# Altium PCB UmTRXv21.PcbDoc (part 18 of 19) (continued)
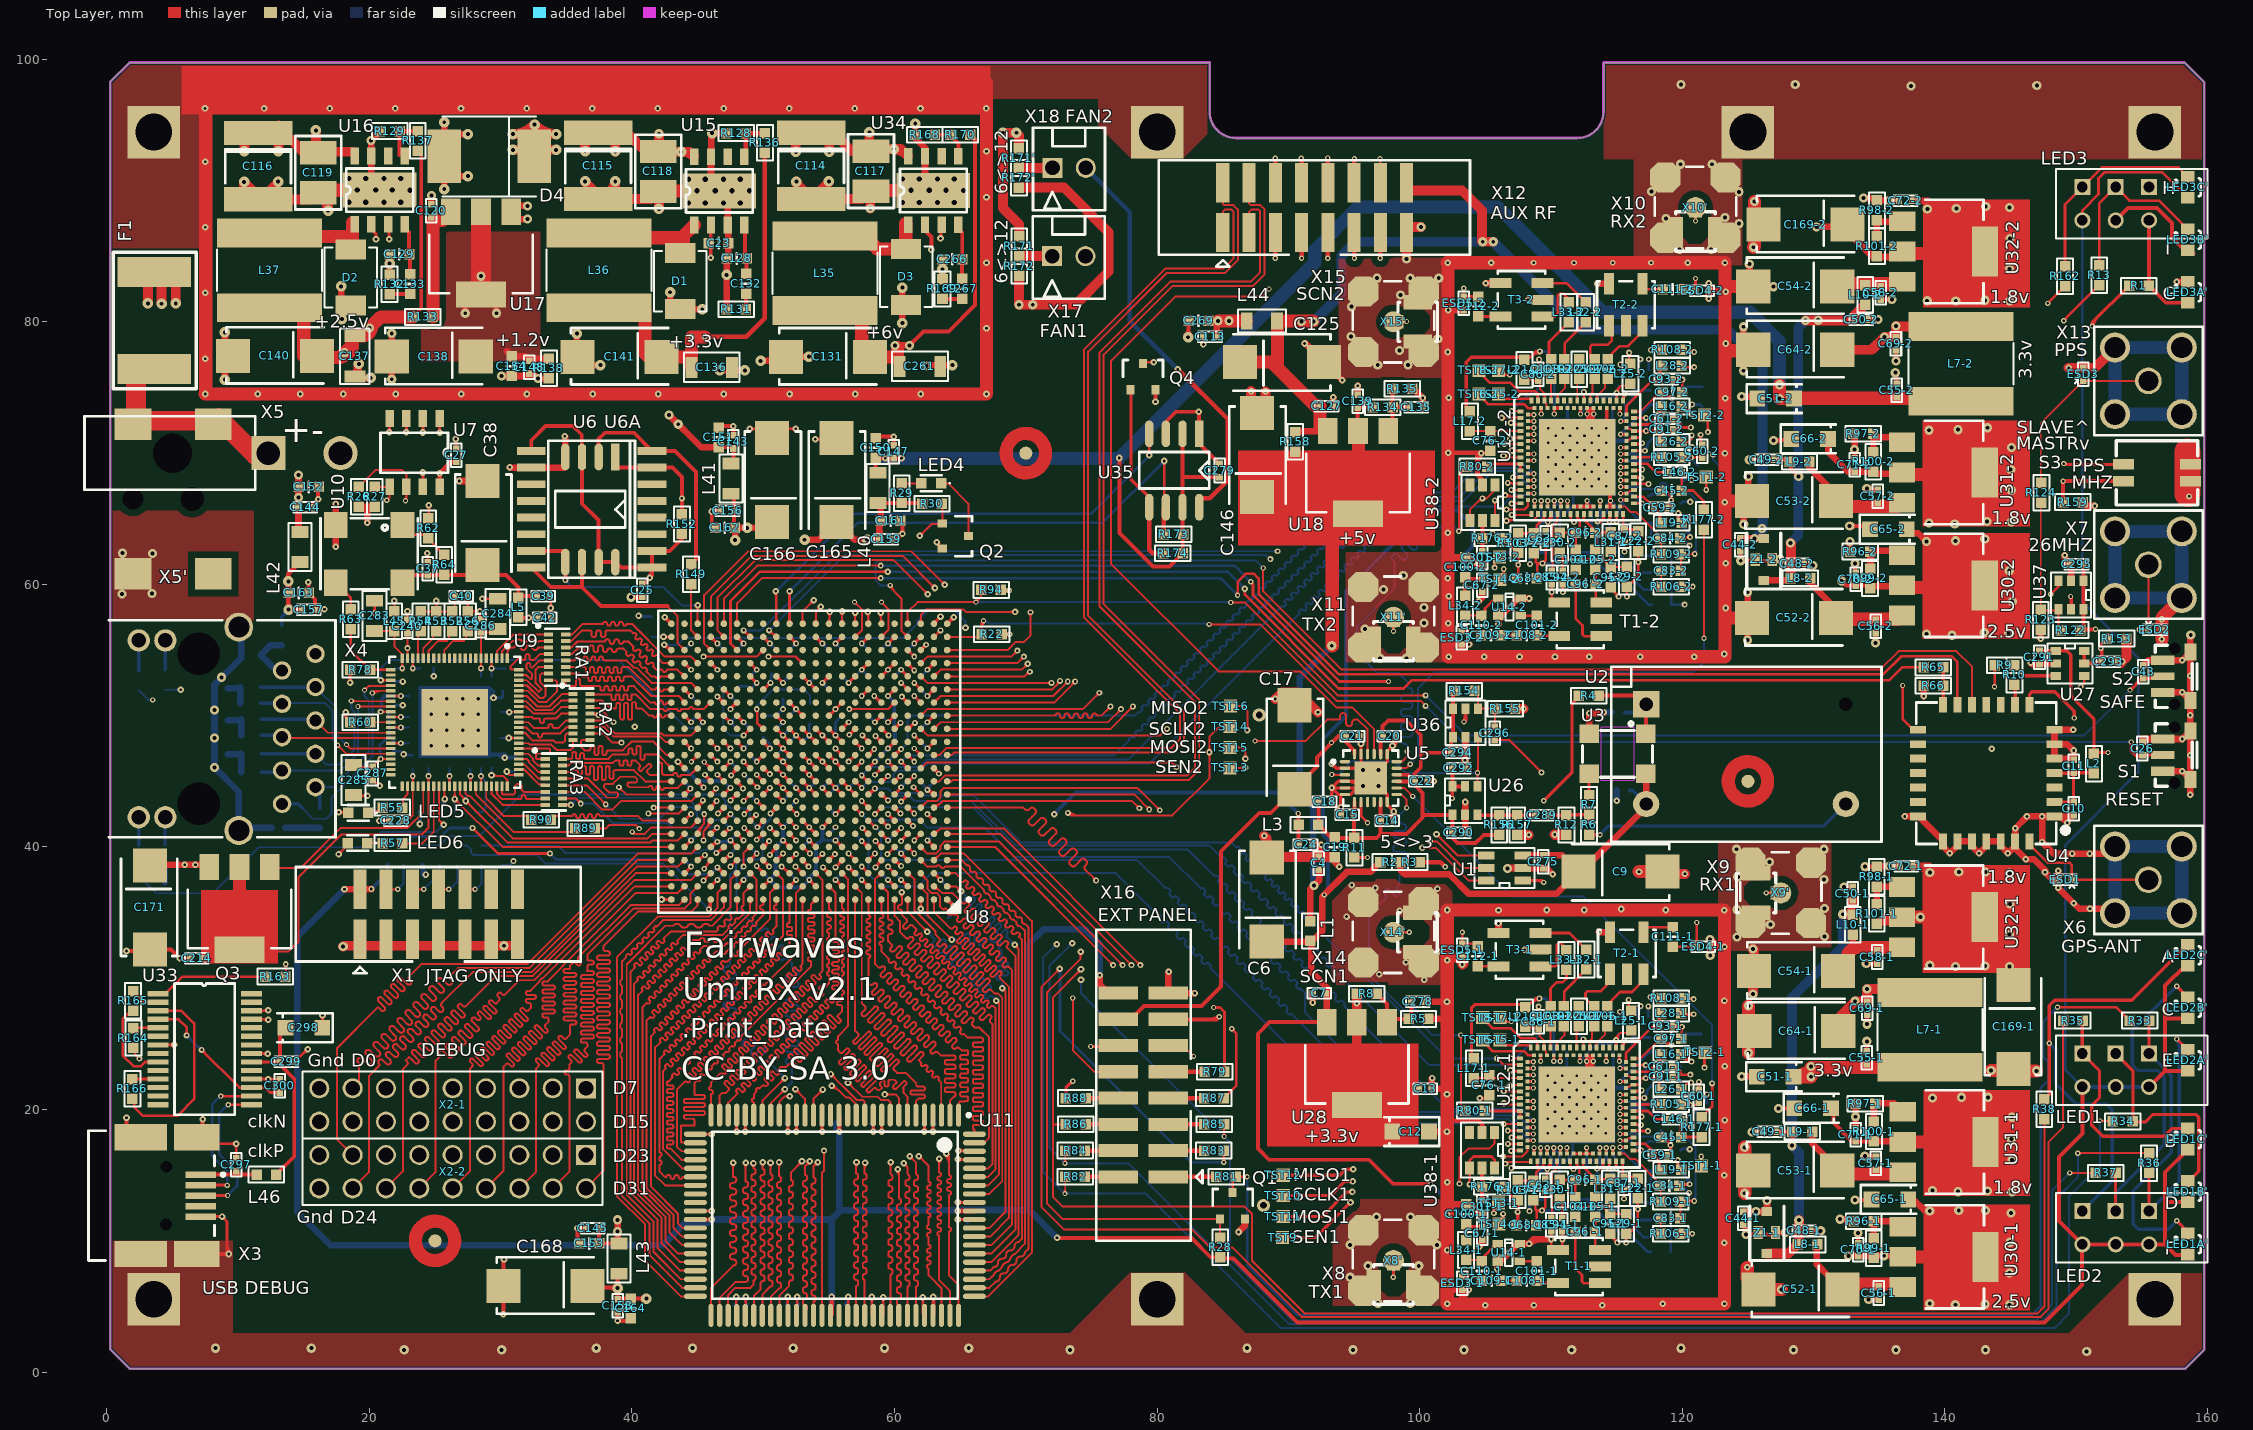
[diagram p0: Top Layer view]
## Nets (pads, with @x,y where several pads share a name; then routed paths per layer and width w, separated by ;. In a path a pad name is that pad's centre, name@x,y a point inside that pad or via, vN(x,y) a via of type N, cw(c..) or ccw(c..) an arc to the next point about the centre after c; other vN are vias at no path point) (continued)
TX2D9: U8.P6 U12-2.30 | length 70.9
  Top Layer w0.15: U8.P6@59,48.825 cw(c59,48.403) 59.299,48.701 cw(c59.597,49) U8.P6@59.175,49 ; U8.P6@59,49 59.5,48.5 v1(59.55,48.5) ; U8.P6@59.169,48.955 ccw(c59.33,48.913) 59.247,48.769 ; U8.P6@59.17,49.04 ccw(c59.772,49.179) v1@59.463,48.644 ; 59.209,48.791 ccw(c59.55,49.133) v1@59.55,48.65 ; 59.329,48.671 cw(c59.159,48.5) v1@59.4,48.5 ; v1(107,65.3) 108.441,65.3 U12-2.30@108.496,65.355 ; v1@107.106,65.194 cw(c107.362,64.938) 107.362,65.3 cw(c107.362,65.662) v1@107.106,65.406
  MidLayer1 w0.15: v1(59.55,48.5) 59.995,48.945 ; v1@59.55,48.65 ccw(c59.55,49.012) 59.806,48.756 ccw(c60.062,48.5) v1@59.7,48.5 ; 59.995,48.95 79,48.95 80.2,50.15 84.5,50.15 84.845,50.495 ccw(c84.831,50.509) 84.845,50.523 cw(c84.972,50.651) 84.845,50.778 84.909,50.841 cw(c85.036,50.714) 85.163,50.841 85.177,50.827 85.191,50.813 ccw(c85.319,50.94) 85.446,50.813 85.51,50.877 ccw(c85.382,51.004) 85.51,51.131 85.495,51.145 85.481,51.16 cw(c85.609,51.287) 85.481,51.414 85.545,51.478 cw(c85.672,51.351) 85.8,51.478 85.814,51.464 85.828,51.45 ccw(c85.955,51.577) 86.082,51.45 86.146,51.513 ccw(c86.019,51.64) 86.146,51.768 86.132,51.782 86.118,51.796 cw(c86.245,51.923) 86.118,52.051 86.181,52.114 cw(c86.309,51.987) 86.436,52.114 86.45,52.1 86.464,52.086 ccw(c86.592,52.213) 86.719,52.086 86.782,52.15 ccw(c86.655,52.277) 86.782,52.404 86.768,52.418 86.754,52.432 cw(c86.881,52.56) 86.754,52.687 86.818,52.751 cw(c86.945,52.623) 87.072,52.751 87.086,52.736 87.101,52.722 ccw(c87.228,52.85) 87.355,52.722 87.419,52.786 ccw(c87.292,52.913) 87.419,53.041 87.405,53.055 87.391,53.069 cw(c87.518,53.196) 87.391,53.323 87.454,53.387 cw(c87.581,53.26) 87.709,53.387 87.723,53.373 87.737,53.359 ccw(c87.864,53.486) 87.992,53.359 88.055,53.422 ccw(c87.928,53.55) 88.055,53.677 88.041,53.691 88.027,53.705 cw(c88.154,53.832) 88.027,53.96 88.091,54.023 cw(c88.218,53.896) 88.345,54.023 88.359,54.009 88.373,53.995 ccw(c88.501,54.122) 88.628,53.995 88.692,54.059 ccw(c88.564,54.186) 88.692,54.313 88.677,54.327 88.663,54.342 cw(c88.791,54.469) 88.663,54.596 88.727,54.66 cw(c88.854,54.533) 88.982,54.66 88.996,54.646 89.01,54.632 ccw(c89.137,54.759) 89.264,54.632 89.328,54.695 ccw(c89.201,54.822) 89.328,54.95 89.314,54.964 89.3,54.978 cw(c89.427,55.105) 89.3,55.233 89.363,55.296 cw(c89.491,55.169) 89.618,55.296 89.632,55.282 89.646,55.268 ccw(c89.773,55.395) 89.901,55.268 89.964,55.332 ccw(c89.837,55.459) 89.964,55.586 89.95,55.6 89.936,55.614 cw(c90.063,55.742) 89.936,55.869 90,55.933 cw(c90.127,55.805) 90.254,55.933 90.268,55.918 90.283,55.904 ccw(c90.41,56.032) 90.537,55.904 90.601,55.968 ccw(c90.474,56.095) 90.601,56.223 90.587,56.237 90.573,56.251 cw(c90.7,56.378) 90.573,56.505 90.636,56.569 cw(c90.763,56.442) 90.891,56.569 90.905,56.555 90.919,56.541 ccw(c91.046,56.668) 91.174,56.541 91.237,56.604 ccw(c91.11,56.732) 91.237,56.859 91.223,56.873 91.209,56.887 cw(c91.336,57.014) 91.209,57.142 91.273,57.205 cw(c91.4,57.078) 91.527,57.205 91.541,57.191 91.555,57.177 ccw(c91.683,57.304) 91.81,57.177 91.874,57.241 ccw(c91.746,57.368) 91.874,57.495 91.859,57.509 91.845,57.524 cw(c91.973,57.651) 91.845,57.778 91.909,57.842 cw(c92.036,57.715) 92.163,57.842 92.178,57.828 92.192,57.813 ccw(c92.319,57.941) 92.446,57.813 92.51,57.877 ccw(c92.383,58.004) 92.51,58.132 92.496,58.146 92.482,58.16 cw(c92.609,58.287) 92.482,58.415 92.545,58.478 cw(c92.673,58.351) 92.8,58.478 92.814,58.464 92.828,58.45 ccw(c92.955,58.577) 93.083,58.45 93.146,58.514 ccw(c93.019,58.641) 93.146,58.768 93.132,58.782 93.118,58.796 cw(c93.245,58.924) 93.118,59.051 93.182,59.115 cw(c93.309,58.987) 93.436,59.115 93.45,59.1 93.465,59.086 ccw(c93.592,59.214) 93.719,59.086 93.783,59.15 ccw(c93.655,59.277) 93.783,59.404 93.754,59.433 cw(c93.882,59.56) 93.754,59.687 93.818,59.751 cw(c93.945,59.624) 94.073,59.751 94.087,59.737 94.101,59.723 ccw(c94.228,59.85) 94.356,59.723 94.419,59.786 ccw(c94.292,59.914) 94.419,60.041 94.405,60.055 94.391,60.069 cw(c94.518,60.196) 94.391,60.324 94.455,60.387 cw(c94.582,60.26) 94.709,60.387 94.723,60.373 94.737,60.359 ccw(c94.865,60.486) 94.992,60.359 95.056,60.423 ccw(c94.928,60.55) 95.056,60.677 95.041,60.691 95.027,60.706 cw(c95.155,60.833) 95.027,60.96 95.091,61.024 cw(c95.218,60.896) 95.345,61.024 95.36,61.01 95.374,60.995 ccw(c95.501,61.123) 95.628,60.995 95.692,61.059 ccw(c95.565,61.186) 95.692,61.314 95.678,61.328 95.664,61.342 cw(c95.791,61.469) 95.664,61.597 95.727,61.66 cw(c95.855,61.533) 95.982,61.66 96.01,61.632 ccw(c96.137,61.759) 96.265,61.632 96.328,61.696 ccw(c96.201,61.823) 96.328,61.95 96.314,61.964 96.3,61.978 cw(c96.427,62.106) 96.3,62.233 96.364,62.297 cw(c96.491,62.169) 96.618,62.297 96.632,62.282 96.647,62.268 ccw(c96.774,62.396) 96.901,62.268 96.965,62.332 ccw(c96.837,62.459) 96.965,62.586 96.951,62.601 96.936,62.615 cw(c97.064,62.742) 96.936,62.869 97,62.933 cw(c97.127,62.806) 97.255,62.933 97.269,62.919 97.283,62.905 ccw(c97.41,63.032) 97.538,62.905 97.601,62.968 ccw(c97.474,63.096) 97.601,63.223 97.587,63.237 97.573,63.251 cw(c97.7,63.378) 97.573,63.506 97.636,63.569 cw(c97.764,63.442) 97.891,63.569 97.905,63.555 97.919,63.541 ccw(c98.047,63.668) 98.174,63.541 98.238,63.605 ccw(c98.11,63.732) 98.238,63.859 98.209,63.888 cw(c98.337,64.015) 98.209,64.142 98.273,64.206 cw(c98.4,64.078) 98.527,64.206 ccw(c98.542,64.22) 98.556,64.206 99.65,65.3 v1(107,65.3) ; v1@106.894,65.194 ccw(c106.638,64.938) 106.638,65.3 ccw(c106.638,65.662) v1@106.894,65.406
TX2D10: U8.P3 U12-2.31 | length 69.9
  Top Layer w0.15: U8.P3@62,48.825 cw(c62,48.403) 62.299,48.701 cw(c62.597,49) U8.P3@62.175,49 ; U8.P3@62,49 62.5,48.5 80.25,48.5 v1(80.75,49) ; v1@80.6,49 cw(c80.238,49) 80.494,48.744 cw(c80.75,48.488) v1@80.75,48.85
  Top Layer w0.2: v4@108.675,66.309 cw(c108.505,66.138) 108.746,66.138 cw(c108.987,66.138) v4@108.817,66.309 ; U12-2.31@108.746,65.93 v4@108.746,66.355
  MidLayer1 w0.15: v1(80.75,49) 81.35,49.6 86.15,49.6 89.6,53.05 89.6,53.15 89.602,53.152 ; v1@80.75,49.15 ccw(c80.75,49.512) 81.006,49.256 ccw(c81.262,49) v1@80.9,49 ; 89.61,53.152 cw(c89.747,53.182) 89.648,53.281 89.697,53.33 cw(c89.796,53.231) 89.895,53.33 89.98,53.245 ccw(c90.079,53.344) 90.178,53.245 90.228,53.295 ccw(c90.129,53.394) 90.228,53.493 90.143,53.578 cw(c90.242,53.677) 90.143,53.776 90.192,53.825 cw(c90.291,53.726) 90.39,53.825 90.475,53.74 ccw(c90.574,53.839) 90.673,53.74 90.723,53.79 ccw(c90.624,53.889) 90.723,53.988 90.638,54.073 cw(c90.737,54.172) 90.638,54.271 90.687,54.32 cw(c90.786,54.221) 90.885,54.32 90.97,54.235 ccw(c91.069,54.334) 91.168,54.235 91.218,54.285 ccw(c91.119,54.384) 91.218,54.483 91.133,54.568 cw(c91.232,54.667) 91.133,54.766 91.182,54.815 cw(c91.281,54.716) 91.38,54.815 91.465,54.73 ccw(c91.564,54.829) 91.663,54.73 91.713,54.78 ccw(c91.614,54.879) 91.713,54.978 91.628,55.063 cw(c91.727,55.162) 91.628,55.261 91.677,55.31 cw(c91.776,55.211) 91.875,55.31 91.96,55.225 ccw(c92.059,55.324) 92.158,55.225 92.208,55.275 ccw(c92.109,55.374) 92.208,55.473 92.123,55.558 cw(c92.222,55.657) 92.123,55.756 92.172,55.805 cw(c92.271,55.706) 92.37,55.805 92.455,55.72 ccw(c92.554,55.819) 92.653,55.72 92.702,55.77 ccw(c92.603,55.869) 92.702,55.968 92.618,56.052 cw(c92.717,56.151) 92.618,56.25 92.667,56.3 cw(c92.766,56.201) 92.865,56.3 92.95,56.215 ccw(c93.049,56.314) 93.148,56.215 93.197,56.265 ccw(c93.098,56.364) 93.197,56.463 93.113,56.547 cw(c93.212,56.646) 93.113,56.745 93.162,56.795 cw(c93.261,56.696) 93.36,56.795 93.445,56.71 ccw(c93.544,56.809) 93.643,56.71 93.692,56.76 ccw(c93.593,56.859) 93.692,56.958 93.608,57.042 cw(c93.707,57.141) 93.608,57.24 93.657,57.29 cw(c93.756,57.191) 93.855,57.29 93.94,57.205 ccw(c94.039,57.304) 94.138,57.205 94.187,57.255 ccw(c94.088,57.354) 94.187,57.453 94.103,57.537 cw(c94.202,57.636) 94.103,57.735 94.152,57.785 cw(c94.251,57.686) 94.35,57.785 94.435,57.7 ccw(c94.534,57.799) 94.633,57.7 94.682,57.75 ccw(c94.583,57.849) 94.682,57.948 94.598,58.032 cw(c94.697,58.131) 94.598,58.23 94.647,58.28 cw(c94.746,58.181) 94.845,58.28 94.93,58.195 ccw(c95.029,58.294) 95.128,58.195 95.177,58.245 ccw(c95.078,58.344) 95.177,58.443 95.093,58.527 cw(c95.191,58.626) 95.093,58.725 95.142,58.775 cw(c95.241,58.676) 95.34,58.775 95.425,58.69 ccw(c95.524,58.789) 95.623,58.69 95.672,58.739 ccw(c95.573,58.838) 95.672,58.937 95.587,59.022 cw(c95.686,59.121) 95.587,59.22 95.637,59.27 cw(c95.736,59.171) 95.835,59.27 95.92,59.185 ccw(c96.019,59.284) 96.118,59.185 96.167,59.234 ccw(c96.068,59.333) 96.167,59.432 96.082,59.517 cw(c96.181,59.616) 96.082,59.715 96.132,59.765 cw(c96.231,59.666) 96.33,59.765 96.415,59.68 ccw(c96.514,59.779) 96.613,59.68 96.662,59.729 ccw(c96.563,59.828) 96.662,59.927 96.577,60.012 cw(c96.676,60.111) 96.577,60.21 96.627,60.26 cw(c96.726,60.161) 96.825,60.26 96.91,60.175 ccw(c97.009,60.274) 97.108,60.175 97.157,60.224 ccw(c97.058,60.323) 97.157,60.422 97.072,60.507 cw(c97.171,60.606) 97.072,60.705 97.122,60.755 cw(c97.221,60.656) 97.32,60.755 97.405,60.67 ccw(c97.504,60.769) 97.603,60.67 97.652,60.719 ccw(c97.553,60.818) 97.652,60.917 97.567,61.002 cw(c97.666,61.101) 97.567,61.2 97.617,61.25 cw(c97.716,61.151) 97.815,61.25 97.9,61.165 ccw(c97.999,61.264) 98.098,61.165 98.147,61.214 ccw(c98.048,61.313) 98.147,61.412 98.062,61.497 cw(c98.161,61.596) 98.062,61.695 98.112,61.745 cw(c98.211,61.646) 98.31,61.745 98.395,61.66 ccw(c98.494,61.759) 98.593,61.66 98.642,61.709 ccw(c98.543,61.808) 98.642,61.907 98.557,61.992 cw(c98.656,62.091) 98.557,62.19 98.607,62.24 cw(c98.706,62.141) 98.805,62.24 98.89,62.155 ccw(c98.989,62.254) 99.088,62.155 99.137,62.204 ccw(c99.038,62.303) 99.137,62.402 99.052,62.487 cw(c99.151,62.586) 99.052,62.685 99.102,62.735 cw(c99.201,62.636) 99.3,62.735 99.385,62.65 ccw(c99.484,62.749) 99.583,62.65 99.632,62.699 ccw(c99.533,62.798) 99.632,62.897 99.547,62.982 cw(c99.646,63.081) 99.547,63.18 99.597,63.23 cw(c99.696,63.131) 99.795,63.23 99.88,63.145 ccw(c99.979,63.244) 100.078,63.145 100.127,63.194 ccw(c100.028,63.293) 100.127,63.392 100.042,63.477 cw(c100.141,63.576) 100.042,63.675 100.092,63.725 cw(c100.191,63.626) 100.29,63.725 100.375,63.64 ccw(c100.474,63.739) 100.573,63.64 100.622,63.689 ccw(c100.523,63.788) 100.622,63.887 100.537,63.972 cw(c100.636,64.071) 100.537,64.17 100.587,64.22 cw(c100.686,64.121) 100.785,64.22 ccw(c100.827,64.262) 100.87,64.22 101.075,64.425 106.791,64.425 v4(108.746,66.38) ; v4@108.621,66.38 cw(c108.319,66.38) 108.533,66.166 cw(c108.746,65.953) v4@108.746,66.255
TX2D11: U8.N3 U12-2.32 | length 69.4
  Top Layer w0.15: v1@61.5,48.35 cw(c61.5,47.988) 61.756,48.244 cw(c62.012,48.5) v1@61.65,48.5 ; v1(61.5,48.5) U8.N3@62,48 ; U8.N3@61.825,48 ccw(c61.403,48) 61.701,48.299 ccw(c62,48.597) U8.N3@62,48.175 ; v2(106.605,64.853) 106.652,64.9 108.664,64.9 108.996,65.232 U12-2.32@108.996,65.355 ; v2@106.729,64.729 cw(c107.141,64.318) 107.141,64.9 ; v2@106.729,64.977 ccw(c106.915,65.163) 106.915,64.9
  MidLayer1 w0.15: v1(61.5,48.5) 79.35,48.5 80.7,49.85 85.35,49.85 85.795,50.295 ccw(c85.781,50.309) 85.795,50.323 cw(c85.922,50.451) 85.795,50.578 85.859,50.641 cw(c85.986,50.514) 86.113,50.641 86.127,50.627 86.141,50.613 ccw(c86.269,50.74) 86.396,50.613 86.46,50.677 ccw(c86.332,50.804) 86.46,50.931 86.445,50.945 86.431,50.96 cw(c86.559,51.087) 86.431,51.214 86.495,51.278 cw(c86.622,51.151) 86.75,51.278 86.764,51.264 86.778,51.25 ccw(c86.905,51.377) 87.032,51.25 87.096,51.313 ccw(c86.969,51.44) 87.096,51.568 87.082,51.582 87.068,51.596 cw(c87.195,51.723) 87.068,51.851 87.131,51.914 cw(c87.259,51.787) 87.386,51.914 87.4,51.9 87.414,51.886 ccw(c87.542,52.013) 87.669,51.886 87.732,51.95 ccw(c87.605,52.077) 87.732,52.204 87.718,52.218 87.704,52.232 cw(c87.831,52.36) 87.704,52.487 87.768,52.551 cw(c87.895,52.423) 88.022,52.551 88.036,52.536 88.051,52.522 ccw(c88.178,52.65) 88.305,52.522 88.369,52.586 ccw(c88.242,52.713) 88.369,52.841 88.355,52.855 88.341,52.869 cw(c88.468,52.996) 88.341,53.123 88.404,53.187 cw(c88.531,53.06) 88.659,53.187 88.673,53.173 88.687,53.159 ccw(c88.814,53.286) 88.942,53.159 89.005,53.222 ccw(c88.878,53.35) 89.005,53.477 88.991,53.491 88.977,53.505 cw(c89.104,53.632) 88.977,53.76 89.041,53.823 cw(c89.168,53.696) 89.295,53.823 89.309,53.809 89.323,53.795 ccw(c89.451,53.922) 89.578,53.795 89.642,53.859 ccw(c89.514,53.986) 89.642,54.113 89.627,54.127 89.613,54.142 cw(c89.741,54.269) 89.613,54.396 89.677,54.46 cw(c89.804,54.333) 89.932,54.46 89.946,54.446 89.96,54.432 ccw(c90.087,54.559) 90.214,54.432 90.278,54.495 ccw(c90.151,54.622) 90.278,54.75 90.264,54.764 90.25,54.778 cw(c90.377,54.905) 90.25,55.033 90.313,55.096 cw(c90.441,54.969) 90.568,55.096 90.582,55.082 90.596,55.068 ccw(c90.723,55.195) 90.851,55.068 90.914,55.132 ccw(c90.787,55.259) 90.914,55.386 90.9,55.4 90.886,55.414 cw(c91.013,55.542) 90.886,55.669 90.95,55.733 cw(c91.077,55.605) 91.204,55.733 91.218,55.718 91.233,55.704 ccw(c91.36,55.832) 91.487,55.704 91.551,55.768 ccw(c91.424,55.895) 91.551,56.023 91.537,56.037 91.523,56.051 cw(c91.65,56.178) 91.523,56.305 91.586,56.369 cw(c91.713,56.242) 91.841,56.369 91.855,56.355 91.869,56.341 ccw(c91.996,56.468) 92.124,56.341 92.187,56.404 ccw(c92.06,56.532) 92.187,56.659 92.173,56.673 92.159,56.687 cw(c92.286,56.814) 92.159,56.942 92.223,57.005 cw(c92.35,56.878) 92.477,57.005 92.491,56.991 92.505,56.977 ccw(c92.633,57.104) 92.76,56.977 92.824,57.041 ccw(c92.696,57.168) 92.824,57.295 92.809,57.309 92.795,57.324 cw(c92.923,57.451) 92.795,57.578 92.859,57.642 cw(c92.986,57.515) 93.113,57.642 93.128,57.628 93.142,57.613 ccw(c93.269,57.741) 93.396,57.613 93.46,57.677 ccw(c93.333,57.804) 93.46,57.932 93.446,57.946 93.432,57.96 cw(c93.559,58.087) 93.432,58.215 93.495,58.278 cw(c93.623,58.151) 93.75,58.278 93.764,58.264 93.778,58.25 ccw(c93.905,58.377) 94.033,58.25 94.096,58.314 ccw(c93.969,58.441) 94.096,58.568 94.082,58.582 94.068,58.596 cw(c94.195,58.724) 94.068,58.851 94.132,58.915 cw(c94.259,58.787) 94.386,58.915 94.4,58.9 94.415,58.886 ccw(c94.542,59.014) 94.669,58.886 94.733,58.95 ccw(c94.605,59.077) 94.733,59.204 94.704,59.233 cw(c94.832,59.36) 94.704,59.487 94.768,59.551 cw(c94.895,59.424) 95.023,59.551 95.037,59.537 95.051,59.523 ccw(c95.178,59.65) 95.306,59.523 95.369,59.586 ccw(c95.242,59.714) 95.369,59.841 95.355,59.855 95.341,59.869 cw(c95.468,59.996) 95.341,60.124 95.405,60.187 cw(c95.532,60.06) 95.659,60.187 95.673,60.173 95.687,60.159 ccw(c95.815,60.286) 95.942,60.159 96.006,60.223 ccw(c95.878,60.35) 96.006,60.477 95.991,60.491 95.977,60.506 cw(c96.105,60.633) 95.977,60.76 96.041,60.824 cw(c96.168,60.696) 96.295,60.824 96.31,60.81 96.324,60.795 ccw(c96.451,60.923) 96.578,60.795 96.642,60.859 ccw(c96.515,60.986) 96.642,61.114 96.628,61.128 96.614,61.142 cw(c96.741,61.269) 96.614,61.397 96.677,61.46 cw(c96.805,61.333) 96.932,61.46 96.96,61.432 ccw(c97.087,61.559) 97.215,61.432 97.278,61.496 ccw(c97.151,61.623) 97.278,61.75 97.264,61.764 97.25,61.778 cw(c97.377,61.906) 97.25,62.033 97.314,62.097 cw(c97.441,61.969) 97.568,62.097 97.582,62.082 97.597,62.068 ccw(c97.724,62.196) 97.851,62.068 97.915,62.132 ccw(c97.787,62.259) 97.915,62.386 97.901,62.401 97.886,62.415 cw(c98.014,62.542) 97.886,62.669 97.95,62.733 cw(c98.077,62.606) 98.205,62.733 98.219,62.719 98.233,62.705 ccw(c98.36,62.832) 98.488,62.705 98.551,62.768 ccw(c98.424,62.896) 98.551,63.023 98.537,63.037 98.523,63.051 cw(c98.65,63.178) 98.523,63.306 98.586,63.369 cw(c98.714,63.242) 98.841,63.369 98.855,63.355 98.869,63.341 ccw(c98.997,63.468) 99.124,63.341 99.188,63.405 ccw(c99.06,63.532) 99.188,63.659 99.159,63.688 cw(c99.287,63.815) 99.159,63.942 99.223,64.006 cw(c99.35,63.878) 99.477,64.006 99.492,63.992 99.506,63.977 ccw(c99.633,64.105) 99.76,63.977 99.824,64.041 ccw(c99.697,64.168) 99.824,64.296 99.81,64.31 99.796,64.324 cw(c99.923,64.451) 99.796,64.578 99.859,64.642 cw(c99.987,64.515) 100.114,64.642 ccw(c100.128,64.656) 100.142,64.642 100.353,64.853 v2(106.605,64.853) ; v1@61.606,48.394 cw(c61.862,48.138) 61.862,48.5 cw(c61.862,48.862) v1@61.606,48.606 ; v2@106.481,64.729 ccw(c106.183,64.431) 106.183,64.853 ccw(c106.183,65.276) v2@106.481,64.977
TX2IQSEL: U8.M5 U12-2.20 | length 71.6
  Top Layer w0.15: U8.M5@59.988,47.175 ccw(c59.955,47.653) v1@60.371,47.413 ; U8.M5@59.998,47.025 ccw(c59.978,47.315) 60.23,47.169 ; U8.M5@60,47 60.05,47 v1(60.5,47.45) ; U8.M5@60,47.175 ccw(c60,47.718) v1@60.384,47.334 ; U8.M5@60.055,47.166 ccw(c60.114,47.345) 60.277,47.251 ; U8.M5@60.17,46.957 cw(c60.705,46.822) v1@60.429,47.301 ; U8.M5@60.174,47.021 cw(c60.361,47.043) 60.267,47.207 ; U8.M5@60.175,47 cw(c60.477,47) 60.263,47.213 ; v1@60.35,47.45 cw(c59.988,47.45) 60.244,47.194 cw(c60.5,46.938) v1@60.5,47.3 ; U8.M5@60.045,47.169 ccw(c60.114,47.425) 60.247,47.196 cw(c60.114,47.425) U8.M5@60.045,47.169
  Top Layer w0.2: U12-2.20@108.246,68.43 v4@108.671,68.43 ; v4@108.625,68.359 ccw(c108.455,68.188) 108.455,68.43 ccw(c108.455,68.671) v4@108.625,68.501
  Bottom Layer w0.15: v1(60.5,47.45) 61,47.95 61,49.65 61.35,50 78.3,50 78.595,50.295 ccw(c78.665,50.365) 78.736,50.295 78.842,50.401 ccw(c78.771,50.471) 78.842,50.542 cw(c78.913,50.613) 78.842,50.684 78.948,50.79 cw(c79.019,50.719) 79.09,50.79 ccw(c79.16,50.86) 79.231,50.79 79.337,50.896 ccw(c79.266,50.966) 79.337,51.037 cw(c79.408,51.108) 79.337,51.179 79.443,51.285 cw(c79.514,51.214) 79.585,51.285 ccw(c79.655,51.355) 79.726,51.285 79.832,51.391 ccw(c79.761,51.461) 79.832,51.532 cw(c79.903,51.603) 79.832,51.673 79.938,51.78 cw(c80.009,51.709) 80.08,51.78 ccw(c80.15,51.85) 80.221,51.78 80.327,51.886 ccw(c80.256,51.956) 80.327,52.027 cw(c80.398,52.098) 80.327,52.168 80.433,52.275 cw(c80.504,52.204) 80.575,52.275 ccw(c80.645,52.345) 80.716,52.275 80.822,52.381 ccw(c80.751,52.451) 80.822,52.522 cw(c80.893,52.593) 80.822,52.663 80.928,52.77 cw(c80.999,52.699) 81.07,52.77 ccw(c81.14,52.84) 81.211,52.769 81.317,52.876 ccw(c81.246,52.946) 81.317,53.017 cw(c81.388,53.088) 81.317,53.158 81.423,53.264 cw(c81.494,53.194) 81.564,53.264 ccw(c81.635,53.335) 81.706,53.264 81.812,53.371 ccw(c81.741,53.441) 81.812,53.512 cw(c81.883,53.583) 81.812,53.653 81.918,53.759 ; v1@60.5,47.6 ccw(c60.5,47.962) 60.756,47.706 ccw(c61.012,47.45) v1@60.65,47.45 ; 81.918,53.759 cw(c81.989,53.689) 82.059,53.759 ccw(c82.13,53.83) 82.201,53.759 82.307,53.866 ccw(c82.236,53.936) 82.307,54.007 cw(c82.378,54.078) 82.307,54.148 82.413,54.254 cw(c82.484,54.184) 82.554,54.254 ccw(c82.625,54.325) 82.696,54.254 82.802,54.36 ccw(c82.731,54.431) 82.802,54.502 cw(c82.873,54.573) 82.802,54.643 82.908,54.749 cw(c82.979,54.679) 83.049,54.749 ccw(c83.12,54.82) 83.191,54.749 ; 83.191,54.749 83.297,54.855 ; 83.297,54.855 ccw(c83.226,54.926) 83.297,54.997 cw(c83.368,55.068) 83.297,55.138 83.403,55.244 cw(c83.474,55.174) 83.544,55.244 ccw(c83.615,55.315) 83.686,55.244 83.792,55.35 ccw(c83.721,55.421) 83.792,55.492 cw(c83.863,55.563) 83.792,55.633 83.898,55.739 cw(c83.969,55.669) 84.039,55.739 ccw(c84.11,55.81) 84.181,55.739 84.287,55.845 ccw(c84.216,55.916) 84.287,55.987 cw(c84.358,56.058) 84.287,56.128 ; 84.287,56.128 84.393,56.234 cw(c84.464,56.164) 84.534,56.234 ccw(c84.605,56.305) 84.676,56.234 84.782,56.34 ccw(c84.711,56.411) 84.782,56.482 cw(c84.853,56.553) 84.782,56.623 84.888,56.729 cw(c84.959,56.659) 85.029,56.729 ccw(c85.1,56.8) 85.171,56.729 85.277,56.835 ccw(c85.206,56.906) 85.277,56.977 cw(c85.347,57.047) 85.277,57.118 85.383,57.224 cw(c85.454,57.154) 85.524,57.224 ccw(c85.595,57.295) 85.666,57.224 85.772,57.33 ccw(c85.701,57.401) 85.772,57.472 cw(c85.842,57.542) 85.772,57.613 85.878,57.719 cw(c85.949,57.649) 86.019,57.719 ccw(c86.09,57.79) 86.161,57.719 86.267,57.825 ccw(c86.196,57.896) 86.267,57.967 cw(c86.337,58.037) 86.267,58.108 86.373,58.214 cw(c86.444,58.144) 86.514,58.214 ccw(c86.585,58.285) 86.656,58.214 86.762,58.32 ccw(c86.691,58.391) 86.762,58.462 cw(c86.832,58.532) 86.762,58.603 86.868,58.709 cw(c86.938,58.638) 87.009,58.709 ccw(c87.08,58.78) 87.151,58.709 87.257,58.815 ccw(c87.186,58.886) 87.257,58.957 cw(c87.327,59.027) 87.257,59.098 87.363,59.204 cw(c87.433,59.133) 87.504,59.204 ccw(c87.575,59.275) 87.646,59.204 87.752,59.31 ccw(c87.681,59.381) 87.752,59.452 cw(c87.822,59.522) 87.752,59.593 87.858,59.699 cw(c87.928,59.628) 87.999,59.699 ccw(c88.07,59.77) 88.141,59.699 88.247,59.805 ccw(c88.176,59.876) 88.247,59.947 cw(c88.317,60.017) 88.247,60.088 88.353,60.194 cw(c88.423,60.123) 88.494,60.194 ccw(c88.565,60.265) 88.636,60.194 88.742,60.3 ccw(c88.671,60.371) 88.742,60.442 cw(c88.812,60.512) 88.742,60.583 88.848,60.689 cw(c88.918,60.618) 88.989,60.689 ccw(c89.06,60.76) 89.13,60.689 89.237,60.795 ccw(c89.166,60.866) 89.237,60.937 cw(c89.307,61.007) 89.237,61.078 89.343,61.184 cw(c89.413,61.113) 89.484,61.184 ccw(c89.555,61.255) 89.625,61.184 89.732,61.29 ccw(c89.661,61.361) 89.732,61.432 cw(c89.802,61.502) 89.732,61.573 89.838,61.679 cw(c89.908,61.608) 89.979,61.679 ccw(c90.05,61.75) 90.12,61.679 90.227,61.785 ccw(c90.156,61.856) 90.227,61.927 cw(c90.297,61.997) 90.226,62.068 90.333,62.174 cw(c90.403,62.103) 90.474,62.174 ccw(c90.545,62.245) 90.615,62.174 90.721,62.28 ccw(c90.651,62.351) 90.721,62.421 cw(c90.792,62.492) 90.721,62.563 90.828,62.669 cw(c90.898,62.598) 90.969,62.669 ccw(c91.04,62.74) 91.11,62.669 91.216,62.775 ccw(c91.146,62.846) 91.216,62.916 cw(c91.287,62.987) 91.216,63.058 91.323,63.164 cw(c91.393,63.093) 91.464,63.164 ccw(c91.535,63.235) 91.605,63.164 91.711,63.27 ccw(c91.641,63.341) 91.711,63.411 cw(c91.782,63.482) 91.711,63.553 91.818,63.659 cw(c91.888,63.588) 91.959,63.659 ccw(c92.03,63.73) 92.1,63.659 92.206,63.765 ccw(c92.136,63.836) 92.206,63.906 cw(c92.277,63.977) 92.206,64.048 92.312,64.154 cw(c92.383,64.083) 92.454,64.154 ccw(c92.525,64.225) 92.595,64.154 92.701,64.26 ccw(c92.631,64.331) 92.701,64.401 cw(c92.772,64.472) 92.701,64.543 92.807,64.649 cw(c92.878,64.578) 92.949,64.649 ccw(c93.02,64.72) 93.09,64.649 93.196,64.755 ccw(c93.126,64.826) 93.196,64.896 cw(c93.267,64.967) 93.196,65.038 93.302,65.144 cw(c93.373,65.073) 93.444,65.144 ccw(c93.515,65.215) 93.585,65.144 93.691,65.25 ccw(c93.621,65.321) 93.691,65.391 cw(c93.762,65.462) 93.691,65.533 93.797,65.639 cw(c93.868,65.568) 93.939,65.639 ccw(c94.01,65.71) 94.08,65.639 94.186,65.745 ccw(c94.116,65.816) 94.186,65.886 cw(c94.257,65.957) 94.186,66.028 94.292,66.134 cw(c94.363,66.063) 94.434,66.134 ccw(c94.505,66.205) 94.575,66.134 94.681,66.24 ccw(c94.611,66.311) 94.681,66.381 cw(c94.752,66.452) 94.681,66.523 94.787,66.629 cw(c94.858,66.558) 94.929,66.629 95.3,67 102.425,67 104.553,69.128 107.932,69.128 108.448,68.612
  Bottom Layer w0.2: v4@108.685,68.529 cw(c108.652,68.816) 108.448,68.612 108.63,68.43 v4(108.696,68.43)
TX-1: C109-1.2 C110-1.2 ESD3-1.2 X8'.1 X8.1 | length 10.1
  Top Layer w0.2: v4(97.975,7.225) 98,7.25 X8.1@98,8.275 X8'.1@98,8.5 X8.1@98,8.675 ; ESD3-1.2@103.225,7.275 103.275,7.225 v4(103.85,7.225) 104.55,7.225 C110-1.2@104.725,7.05 ; v4@103.779,7.154 ccw(c103.609,6.984) 103.609,7.225 ccw(c103.609,7.466) v4@103.779,7.296 ; v4@103.921,7.154 cw(c104.091,6.984) 104.091,7.225 cw(c104.091,7.466) v4@103.921,7.296
  Mid-Layer 2 w0.2: v4(97.975,7.225) v4(103.85,7.225) ; v4@103.779,7.154 ccw(c103.609,6.984) 103.609,7.225 ccw(c103.609,7.466) v4@103.779,7.296
TX-2: C109-2.2 C110-2.2 ESD3-2.2 X11'.1 X11.1 | length 9.9
  Top Layer w0.2: v4(98,56.425) 98,56.945 98.53,57.475 X11'.1@98.55,57.475 ; ESD3-2.2@103.2,56.425 v4(103.85,56.425) 104.375,56.425 C110-2.2@104.675,56.125 ; v4@103.779,56.354 ccw(c103.609,56.184) 103.609,56.425 ccw(c103.609,56.666) v4@103.779,56.496 ; v4@103.921,56.354 cw(c104.091,56.184) 104.091,56.425 cw(c104.091,56.666) v4@103.921,56.496
  Mid-Layer 2 w0.2: v4(98,56.425) v4(103.85,56.425) ; v4@103.779,56.354 ccw(c103.609,56.184) 103.609,56.425 ccw(c103.609,56.666) v4@103.779,56.496
TXD1: R164.1 U8.T18 | length 62.1
  Top Layer w0.15: R164.1@2.15,24.75 2.15,24.2 v1(2.475,23.875) ; v1@2.325,23.875 ccw(c1.963,23.875) 2.219,24.131 ccw(c2.475,24.387) v1@2.475,24.025 ; v1@46.5,51.3 cw(c46.5,50.938) 46.756,51.194 cw(c47.012,51.45) v1@46.65,51.45 ; v1(46.5,51.45) U8.T18@46.95,51 ; v1@46.571,51.301 cw(c46.295,50.822) U8.T18@46.83,50.957 ; v1@46.616,51.334 ccw(c47,51.718) U8.T18@47,51.175 ; v1@46.629,51.413 ccw(c47.045,51.653) U8.T18@47.012,51.175 ; 46.723,51.251 ccw(c46.886,51.345) U8.T18@46.945,51.166 ; 46.733,51.207 cw(c46.639,51.043) U8.T18@46.826,51.021 ; 46.737,51.213 cw(c46.523,51) U8.T18@46.825,51 ; 46.77,51.169 ccw(c47.022,51.315) U8.T18@47.002,51.025 ; 46.753,51.196 ccw(c46.886,51.425) 46.955,51.169 cw(c46.886,51.425) 46.753,51.196
  Mid-Layer 2 w0.15: v1(2.475,23.875) 3.175,23.875 19.05,39.75 29.596,39.75 40.921,51.075 46.125,51.075 v1(46.5,51.45) ; v1@2.581,23.769 cw(c2.837,23.513) 2.837,23.875 cw(c2.837,24.237) v1@2.581,23.981 ; v1@46.35,51.45 cw(c45.988,51.45) 46.244,51.194 cw(c46.5,50.938) v1@46.5,51.3